# Altium PCB ECU_FEST24_Rev1.PcbDoc (part 3 of 3)
Units mm, origin at the board's own origin, x right, y up, seen from the top; angles counter-clockwise.
Board outline 80 x 60 mm, 4 copper layers (Top Layer, Int1 (GND), Int2 (PWR), Bottom Layer), stack 1.535 mm thick; 278 components, 169 nets, 897 pads, 839 vias.
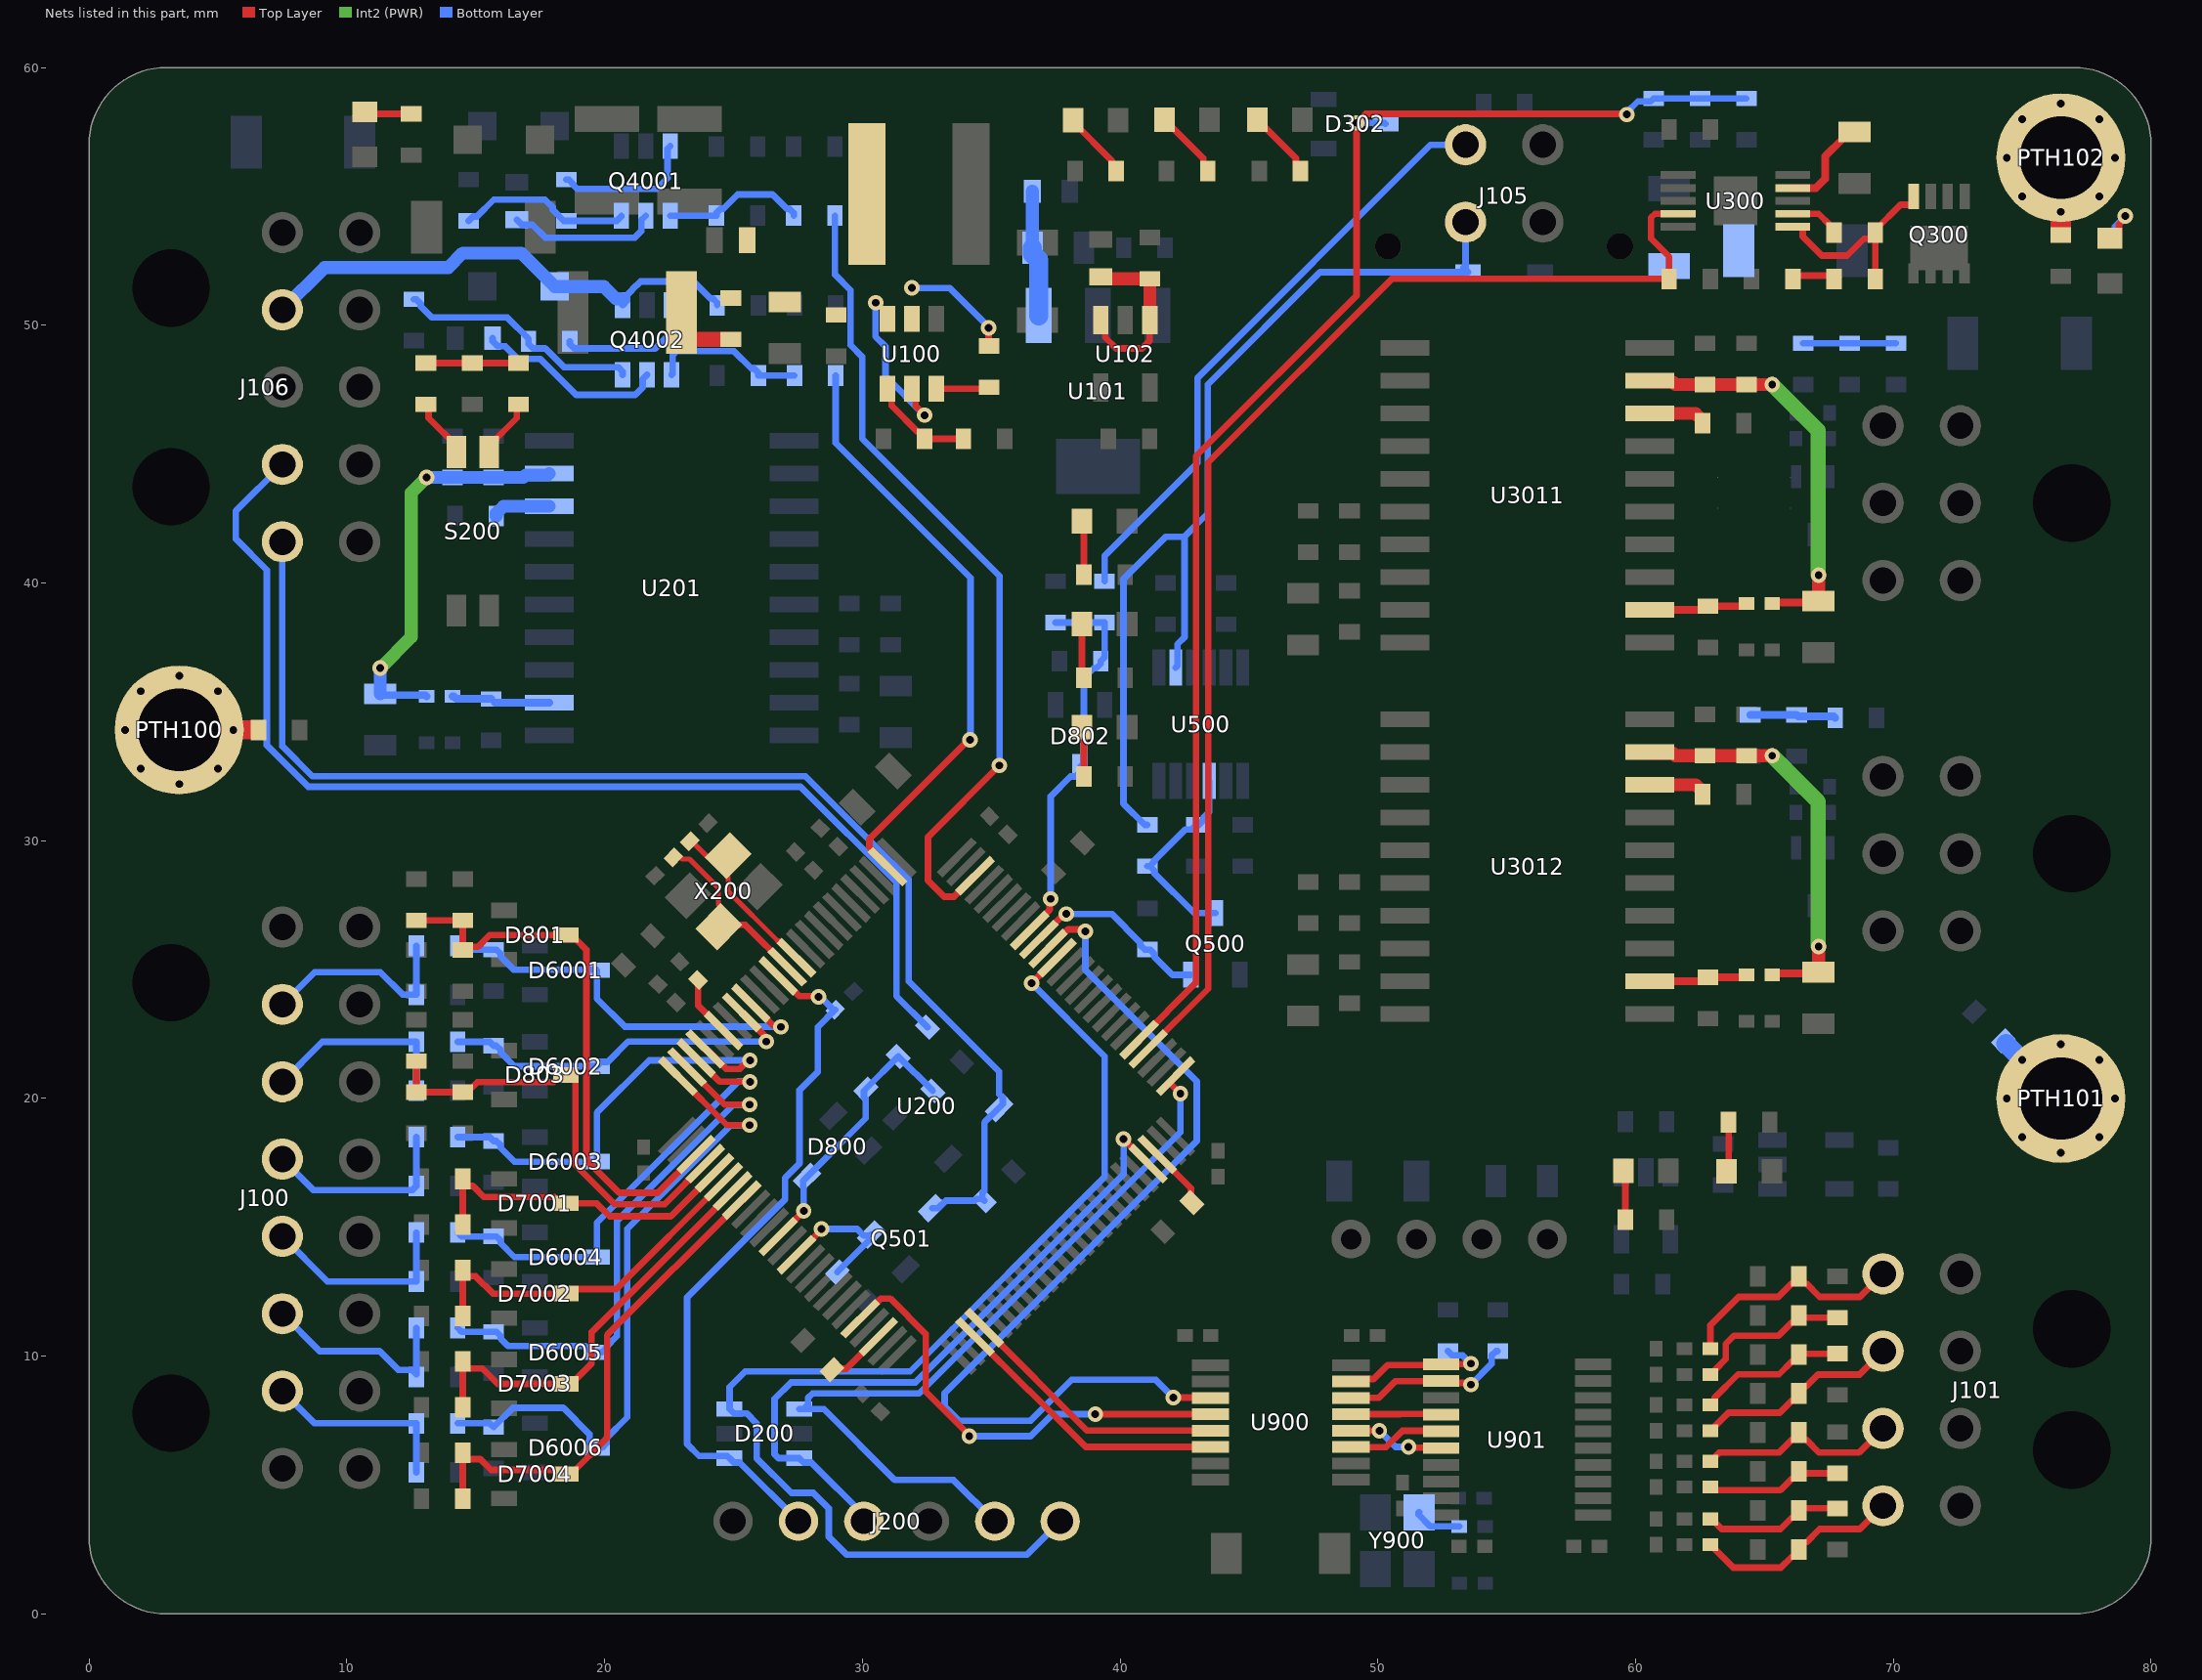
[diagram p5: the nets of this part, all layers, seen from the top]

## Via types
v1: diameter 0.6, hole 0.3, Top Layer to Bottom Layer, tented both sides, 839 vias

## Nets (pads, with @x,y where several pads share a name; then routed paths per layer and width w, separated by ;. In a path a pad name is that pad's centre, name@x,y a point inside that pad or via, vN(x,y) a via of type N, cw(c..) or ccw(c..) an arc to the next point about the centre after c; other vN are vias at no path point) (continued)
LowPWR_OUT2: D4002.1 J106.4 Q4002.4 R4022.2 | length 19.5
  Bottom Layer w0.254: Q4002.4@20.7,50.775 20.873,50.948 20.873,51.173 21.073,51.373 21.073,51.39 21.236,51.552 21.252,51.552 21.395,51.695 23.448,51.695 24.095,51.048 24.195,51.048 24.368,50.875 R4022.2@24.368,50.775
  Bottom Layer w0.5: J106.4@7.5,50.6 9.14,52.24 13.94,52.24 14.5,52.8 16.768,52.8 D4002.1@18.068,51.5 19.975,51.5 20.45,51.025 20.65,51.025 Q4002.4@20.7,50.975
LowPWR_Switch1: R4031.2 U200.98 | length 32
  Top Layer w0.254: U200.98@34.374,28.645 33.561,27.832 33.172,27.832 32.548,28.455 32.548,30.144 v1(35.323,32.919)
  Bottom Layer w0.254: R4031.2@28.941,54.25 28.941,51.967 29.545,51.363 29.545,49.23 29.996,48.779 29.996,45.604 35.323,40.277 v1(35.323,32.919)
LowPWR_Switch2: R4032.2 U200.2 | length 23.2
  Top Layer w0.254: U200.2@30.98,28.998 30.98,29.031 30.273,29.738 30.273,30.07 34.121,33.919 v1(34.177,33.919)
  Bottom Layer w0.254: R4032.2@28.968,48.048 28.968,45.432 34.2,40.2 34.2,33.942 v1(34.177,33.919)
MCU_DigiAnalog1: C801.1 D801.3 R802.1 R804.2 U200.28 | length 21.8
  Top Layer w0.254: R804.2@12.7,26.913 C801.1@14.5,26.913 R802.1@14.5,25.763 14.629,25.891 15.102,25.891 15.555,26.344 D801.3@18.5,26.344 18.673,26.171 18.899,26.171 19.3,25.77 19.3,17.616 20.574,16.341 22.07,16.341 U200.28@23.555,17.826
MCU_DigiAnalog2: C803.1 D803.3 R807.1 R809.2 U200.29 | length 17.4
  Top Layer w0.254: R807.1@12.7,21.449 C803.1@12.7,20.249 R809.2@14.5,20.249 14.673,20.422 14.853,20.422 15.064,20.633 18.023,20.633 18.3,20.91 18.7,20.91 18.873,20.737 18.873,17.416 20.393,15.897 22.333,15.897 U200.29@23.909,17.473
MCU_LinearSens1: C7001.1 D7001.3 R7001.1 U200.30 | length 12.8
  Top Layer w0.254: C7001.1@14.5,15.109 R7001.1@14.5,16.78 ; R7001.1@14.5,16.88 R7001.1@14.5,16.78 ; U200.30@24.262,17.119 22.573,15.43 20.198,15.43 19.698,15.93 D7001.3@18.5,15.93 18.3,15.93 18.055,16.175 15.325,16.175 14.893,16.607 14.673,16.607 R7001.1@14.5,16.78
MCU_LinearSens2: C7002.1 D7002.3 R7002.1 U200.31 | length 14
  Top Layer w0.254: C7002.1@14.5,11.566 R7002.1@14.5,13.276 ; R7002.1@14.5,13.337 R7002.1@14.5,13.276 ; U200.31@24.616,16.766 20.453,12.603 18.673,12.603 D7002.3@18.5,12.43 15.67,12.43 14.997,13.103 14.673,13.103 R7002.1@14.5,13.276
MCU_LinearSens3: C7003.1 D7003.3 R7003.1 U200.32 | length 16.4
  Top Layer w0.254: C7003.1@14.5,8.023 R7003.1@14.5,9.694 ; R7003.1@14.5,9.794 R7003.1@14.5,9.694 ; U200.32@24.961,16.404 19.5,10.943 19.5,9.719 18.884,9.103 18.673,9.103 D7003.3@18.5,8.93 15.858,8.93 15.267,9.521 14.673,9.521 R7003.1@14.5,9.694
MCU_LinearSens4: C7004.1 D7004.3 R7004.1 U200.33 | length 19.6
  Top Layer w0.254: C7004.1@14.5,4.48 R7004.1@14.5,6.183 ; R7004.1@14.5,6.252 R7004.1@14.5,6.183 ; U200.33@25.323,16.042 20.1,10.819 20.1,6.83 18.7,5.43 18.536,5.594 15.598,5.594 15.182,6.01 14.673,6.01 R7004.1@14.5,6.183
MCU_Pump_Tach: C802.1 D802.3 R806.2 R808.2 U200.92 | length 15.2
  Top Layer w0.254: U200.92@36.495,26.524 36.495,26.545 37.273,27.323 37.273,27.708 v1(37.308,27.743)
  Bottom Layer w0.254: v1(37.308,27.743) 37.308,31.723 38.077,32.492 38.277,32.492 38.45,32.665 D802.3@38.45,32.865 38.6,33.015 38.6,36.315 38.977,36.692 39.077,36.692 39.25,36.865 C802.1@39.25,36.965 39.4,37.115 R806.2@39.4,38.465 R808.2@37.5,38.465
MCU_SHTD_in: C800.1 D800.3 R801.2 R803.2 U200.37 | length 10.9
  Top Layer w0.254: U200.37@26.737,14.644 v1(27.727,15.634)
  Bottom Layer w0.254: v1(27.727,15.634) 27.727,16.548 27.71,16.565 27.71,16.81 D800.3@27.851,16.951 30.134,19.234 30.134,19.98 30.064,20.05 30.064,20.295 C800.1@30.134,20.366 30.134,20.371 R801.2@31.398,21.634 32.734,20.298 R803.2@32.734,20.295
MCU_SPI_CLK: U200.46 U900.4 | length 17.8
  Top Layer w0.254: U200.46@29.919,11.462 29.952,11.462 30.729,12.24 31.083,12.24 32.462,10.861 32.462,8.634 34.151,6.945 v1(34.151,6.9) ; v1(39.041,7.75) U900.4@43.505,7.75
  Bottom Layer w0.254: v1(34.151,6.9) 36.528,6.9 37.378,7.75 v1(39.041,7.75)
MCU_SPI_CS: U200.90 U900.3 | length 37.7
  Top Layer w0.254: U200.90@37.202,25.816 37.235,25.816 37.977,26.559 38.487,26.559 38.558,26.488 v1(38.652,26.488) ; v1(42.069,8.4) 43.49,8.4 U900.3@43.505,8.385
  Bottom Layer w0.254: v1(38.652,26.488) 38.652,24.988 42.977,20.663 42.977,18.354 33.191,8.568 33.191,8.059 33.75,7.5 36.53,7.5 38.115,9.085 41.384,9.085 v1(42.069,8.4) v1@42.266,8.4
MCU_SPI_MISO: U200.53 U900.6 | length 10.9
  Top Layer w0.254: U200.53@34.374,10.755 36.458,8.671 36.481,8.671 38.672,6.48 U900.6@43.505,6.48
MCU_SPI_MOSI: U200.54 U900.5 | length 10.4
  Top Layer w0.254: U200.54@34.727,11.109 38.721,7.115 U900.5@43.505,7.115
MCU_Temp1: C6001.1 D6001.3 R6001.1 U200.17 | length 16.1
  Top Layer w0.254: U200.17@25.676,23.695 26.529,22.842 26.78,22.842 v1(26.846,22.776)
  Bottom Layer w0.254: R6001.1@14.3,25.926 14.45,25.776 C6001.1@15.7,25.776 15.8,25.776 15.973,25.603 15.973,25.503 16.476,25 19.676,25 D6001.3@19.7,24.976 19.7,23.876 20.788,22.787 26.835,22.787 v1(26.846,22.776)
MCU_Temp2: C6002.1 D6002.3 R6002.1 U200.18 | length 14.4
  Top Layer w0.254: U200.18@25.323,23.342 25.323,23.319 26.211,22.431 26.211,22.276 v1(26.277,22.21)
  Bottom Layer w0.254: R6002.1@14.3,22.2 15.55,22.2 C6002.1@15.7,22.05 15.8,22.05 15.973,21.877 15.973,21.777 16.5,21.25 D6002.3@19.7,21.25 19.873,21.423 20.126,21.423 20.913,22.21 v1(26.277,22.21)
MCU_Temp3: C6003.1 D6003.3 R6003.1 U200.22 | length 16.7
  Top Layer w0.254: U200.22@23.909,21.927 23.941,21.927 24.719,21.15 25.249,21.15 25.574,21.475 v1(25.641,21.475)
  Bottom Layer w0.254: R6003.1@14.3,18.5 15.55,18.5 C6003.1@15.7,18.35 15.8,18.35 15.973,18.177 15.973,18.077 16.5,17.55 D6003.3@19.7,17.55 19.7,19.443 21.732,21.475 v1(25.641,21.475)
MCU_Temp4: C6004.1 D6004.3 R6004.1 U200.23 | length 17.9
  Top Layer w0.254: U200.23@23.555,21.574 24.48,20.649 v1(25.641,20.649)
  Bottom Layer w0.254: R6004.1@14.3,14.8 14.45,14.65 C6004.1@15.7,14.65 15.8,14.65 15.973,14.477 15.973,14.377 16.5,13.85 D6004.3@19.7,13.85 19.7,15.173 25.175,20.649 v1(25.641,20.649)
MCU_Temp5: C6005.1 D6005.3 R6005.1 U200.24 | length 21.5
  Top Layer w0.254: U200.24@23.202,21.22 24.658,19.764 v1(25.635,19.764)
  Bottom Layer w0.254: R6005.1@14.3,11.1 14.45,10.95 C6005.1@15.7,10.95 15.8,10.95 15.973,10.777 15.973,10.677 16.25,10.4 19.25,10.4 19.5,10.15 19.9,10.15 20.073,10.323 20.073,10.373 20.477,10.777 20.477,15.243 24.998,19.764 v1(25.635,19.764)
MCU_Temp6: C6006.1 D6006.3 R6006.1 U200.25 | length 25.7
  Top Layer w0.254: U200.25@22.848,20.867 24.748,18.967 v1(25.635,18.967)
  Bottom Layer w0.254: R6006.1@14.3,7.4 15.55,7.4 C6006.1@15.7,7.25 16.45,8 18.4,8 19.418,6.982 19.418,6.623 19.591,6.45 19.9,6.45 20.073,6.623 20.073,6.823 20.881,7.631 20.881,14.94 24.908,18.967 v1(25.635,18.967)
Motor_Temp+1: J101.8 R9031.2 R9051.2 | length 8.2
  Top Layer w0.254: R9051.2@62.9,2.688 62.95,2.688 63.073,2.565 63.073,2.515 63.788,1.8 65.637,1.8 66.064,2.227 66.165,2.227 66.338,2.4 R9031.2@66.338,2.5 66.338,2.6 66.51,2.773 66.611,2.773 67.138,3.3 68.7,3.3 J101.8@69.6,4.2
Motor_Temp+2: J101.7 R9032.2 R9052.2 | length 7.9
  Top Layer w0.254: R9052.2@62.9,5.923 62.95,5.923 63.073,6.046 63.073,6.096 63.237,6.26 65.555,6.26 66.064,6.77 66.165,6.77 R9032.2@66.338,6.943 ; R9032.2@66.338,7.043 R9032.2@66.338,6.943 ; J101.7@69.6,7.2 68.66,6.26 67.12,6.26 66.611,6.77 66.51,6.77 R9032.2@66.338,6.943
Motor_Temp+3: J101.6 R9033.2 R9053.2 | length 8.1
  Top Layer w0.254: R9053.2@62.9,7.113 62.95,7.113 63.073,7.236 63.073,7.286 63.6,7.813 65.594,7.813 66.064,8.284 66.165,8.284 66.338,8.457 R9033.2@66.338,8.557 66.338,8.657 66.51,8.83 66.611,8.83 67.069,9.288 68.688,9.288 J101.6@69.6,10.2
Motor_Temp+4: J101.5 R9034.2 R9054.2 | length 9.1
  Top Layer w0.254: R9054.2@62.9,10.288 62.9,11.2 64,12.3 65.538,12.3 66.064,12.827 66.165,12.827 R9034.2@66.338,13 ; R9034.2@66.338,13.1 R9034.2@66.338,13 ; J101.5@69.6,13.2 68.7,12.3 67.137,12.3 66.611,12.827 66.51,12.827 R9034.2@66.338,13
Net100_2: 100.2 R105.1 | length 1.8
  Top Layer w0.254: 100.2@10.7,58.275 10.775,58.2 R105.1@12.5,58.2
Net101_2: 101.2 R106.1 | length 2.7
  Top Layer w0.254: 101.2@38.175,57.961 38.175,57.886 39.677,56.384 39.677,56.158 R106.1@39.85,55.985
Net102_2: 102.2 R107.1 | length 2.7
  Top Layer w0.254: 102.2@45.325,57.976 45.325,57.901 45.598,57.628 45.673,57.628 46.827,56.474 46.827,56.158 R107.1@47,55.985
Net103_2: 103.2 R108.1 | length 2.7
  Top Layer w0.254: 103.2@41.725,57.976 41.725,57.901 41.998,57.628 42.073,57.628 43.227,56.474 43.227,56.158 R108.1@43.4,55.985
Net300_2: 300.2 R303.1 | length 2.3
  Top Layer w0.254: 300.2@78.4,53.375 78.475,53.375 78.748,53.648 78.748,53.912 79,54.164 v1(79,54.234)
  Bottom Layer w0.254: R303.1@78.4,53.3 78.426,53.3 78.599,53.473 78.599,53.832 v1(79,54.234)
Net900_2: 900.2 R900.1 | length 1.9
  Top Layer w0.254: 900.2@59.527,17.2 59.602,17.125 R900.1@59.602,15.297
Net901_2: 901.2 R901.1 | length 2
  Top Layer w0.254: 901.2@63.533,17.179 63.553,17.159 63.608,17.215 R901.1@63.608,19.079
NetC100_2: C100.2 PTH100.1 | length 2.9
  Top Layer w0.75: PTH100.1@3.5,34.3 PTH100.1@5.6,34.3 C100.2@6.413,34.3
NetC101_1: C101.1 L101.1 U100.2 | length 4.4
  Top Layer w0.254: v1(34.9,49.9) 34.9,49.212 C101.1@34.921,49.192
  Bottom Layer w0.254: v1(31.921,51.447) 33.388,51.447 34.9,49.935 v1(34.9,49.9)
NetC101_2: C101.2 U100.6 | length 2.1
  Top Layer w0.254: U100.6@32.871,47.542 34.871,47.542 C101.2@34.921,47.592
NetC102_2: C102.2 C103.2 L100.2 R100.1 U100.3 U100.5 | length 6.4
  Top Layer w0.254: U100.5@31.921,47.542 32.071,47.392 32.071,46.861 v1(32.421,46.51)
  Bottom Layer w0.254: v1(30.526,50.875) 30.51,50.86 30.51,49.561 30.9,49.171 30.9,48.031 v1(32.421,46.51)
NetC107_1: C107.1 R100.2 | length 2.8
  Top Layer w0.6: C107.1@22.979,50.5 22.979,49.8 23.329,49.45 R100.2@24.9,49.45
NetC108_1: C108.1 F100.2 U101.1 | length 4.9
  Bottom Layer w0.5: C108.1@36.599,53 F100.2@36.599,55.2
  Bottom Layer w0.75: C108.1@36.599,53 36.599,52.775 36.844,52.53 U101.1@36.844,50.375
NetC110_1: C110.1 PTH101.1 | length 3
  Bottom Layer w0.75: C110.1@74.372,22.128 PTH101.1@75,21.5 PTH101.1@76.5,20
NetC111_1: C111.1 PTH102.1 | length 0.8
  Top Layer w0.8: C111.1@76.5,53.635 PTH102.1@76.5,54.4
NetC112_1: C112.1 F101.1 U102.1 U102.3 | length 7.1
  Top Layer w0.254: U102.3@39.251,50.192 39.424,50.019 39.424,49.527 39.851,49.1 40.851,49.1 41.151,49.4 U102.1@41.151,50.192
  Top Layer w0.5: F101.1@39.251,51.879 39.326,51.804 C112.1@41.151,51.804 U102.1@41.151,50.192
NetC208_1: C208.1 R200.1 R201.1 | length 3.6
  Top Layer w0.254: R200.1@13.07,48.532 C208.1@14.87,48.532 R201.1@16.67,48.532
NetC301_1: C301.1 Q300.2 R300.2 U300.6 | length 8.3
  Top Layer w0.254: U300.6@66.1,53.825 66.459,53.825 66.482,53.802 66.482,53.443 67.225,52.7 68.2,52.7 68.859,53.359 69.127,53.359 R300.2@69.3,53.532 ; C301.1@69.3,51.8 R300.2@69.3,53.532 ; Q300.2@70.79,54.99 70.79,54.751 70.714,54.675 70.275,54.675 69.3,53.7 R300.2@69.3,53.6 R300.2@69.3,53.532
NetC301_2: C301.2 R302.2 | length 1.7
  Top Layer w0.254: R302.2@66.1,51.8 66.227,51.927 67.573,51.927 C301.2@67.7,51.8
NetC302_1: C302.1 U300.9 | length 3.8
  Top Layer w0.3: U300.9@66.1,55.325 67,55.325 67.35,55.675 67.35,56.55 68.025,57.225 68.025,57.25 68.275,57.5 C302.1@68.5,57.5
NetC303_1: C303.1 D302.3 R304.1 R305.2 U200.80 | length 55.8
  Top Layer w0.254: U200.80@40.738,22.281 42.945,24.488 ; 42.945,44.92 49.176,51.151 v1(49.176,57.849) 49.526,58.2 59.635,58.2 v1(59.66,58.175) ; 42.95,24.488 42.95,44.92
  Bottom Layer w0.254: v1(49.176,57.849) 50.26,57.849 D302.3@50.3,57.809 ; v1(59.66,58.175) 59.66,58.26 60.085,58.685 60.585,58.685 C303.1@60.7,58.8 R305.2@62.5,58.8 R304.1@64.3,58.8
NetC3141_1: C3141.1 R3101.1 R3111.1 | length 3.6
  Bottom Layer w0.254: R3111.1@66.5,49.301 R3101.1@70.1,49.301
NetC3142_1: C3142.1 R3102.1 R3112.1 | length 3.3
  Bottom Layer w0.3: R3112.1@64.446,34.88 C3142.1@66.246,34.88 66.304,34.823 67.689,34.823 R3102.1@67.746,34.765
NetD300_2: D300.2 F300.1
NetERROR200_2: ERROR200.2 R203.1 | length 1.9
  Top Layer w0.254: ERROR200.2@38.525,34.4 38.6,34.325 R203.1@38.6,32.5
NetF4001_1: F4001.1 Q4001.2 | length 5.9
  Bottom Layer w0.254: F4001.1@16.593,54.1 16.793,53.9 17.202,53.9 17.702,53.4 21.173,53.4 21.427,53.654 21.427,54.077 Q4001.2@21.6,54.25
NetF4002_1: F4002.1 Q4002.2 | length 7.5
  Bottom Layer w0.254: F4002.1@15.659,49.5 15.659,49.383 15.859,49.183 16.15,49.183 16.635,48.698 17.502,48.698 18.9,47.3 20.284,47.3 20.286,47.298 21.189,47.298 21.477,47.587 21.477,47.902 Q4002.2@21.65,48.075
NetMCU200_2: MCU200.2 R204.1 | length 2.2
  Top Layer w0.254: MCU200.2@38.525,42.4 38.525,42.35 38.6,42.275 R204.1@38.6,40.275
NetMCU201_2: MCU201.2 R205.1 | length 2.1
  Top Layer w0.254: MCU201.2@38.525,38.4 38.525,36.425 R205.1@38.6,36.35
NetQ500_2: Q500.2 R501.1 U200.91 | length 7.4
  Top Layer w0.254: U200.91@36.849,26.17 37.839,27.16 v1(37.909,27.16)
  Bottom Layer w0.254: v1(37.909,27.16) 39.675,27.16 40.784,26.051 40.784,25.951 40.957,25.778 R501.1@41.057,25.778 41.157,25.778 41.33,25.605 41.33,25.505 42.035,24.8 Q500.2@42.75,24.8
NetQ501_2: Q501.2 R504.1 U200.39 | length 5.4
  Top Layer w0.254: U200.39@27.444,13.937 28.417,14.91 v1(28.417,14.935)
  Bottom Layer w0.254: v1(28.417,14.935) 29.8,14.935 30.054,14.681 30.299,14.681 Q501.2@30.34,14.723 30.34,14.572 R504.1@29.034,13.266
NetQ4001_1: Q4001.1 R4031.1 R4041.2 | length 5.6
  Bottom Layer w0.254: Q4001.1@22.55,54.25 R4041.2@24.341,54.25 24.341,54.35 24.514,54.523 24.614,54.523 25.166,55.075 26.516,55.075 27.068,54.523 27.168,54.523 27.341,54.35 R4031.1@27.341,54.25
NetQ4001_3: Q4001.3 R4001.1 R4011.2 | length 6.9
  Bottom Layer w0.254: R4001.1@14.725,54.05 14.898,54.223 15.051,54.223 15.703,54.875 17.693,54.875 17.989,54.58 17.989,54.48 R4011.2@18.418,54.05 ; R4011.2@18.518,54.05 R4011.2@18.418,54.05 ; Q4001.3@20.65,54.25 20.65,54.223 20.477,54.05 R4011.2@18.418,54.05
NetQ4001_6: Q4001.6 R4011.1 | length 5.6
  Bottom Layer w0.254: R4011.1@18.518,55.65 18.618,55.65 18.791,55.477 18.791,55.441 18.94,55.293 22.03,55.293 22.443,55.706 22.443,56.843 Q4001.6@22.55,56.95
NetQ4002_1: Q4002.1 R4032.1 R4042.2 | length 6
  Bottom Layer w0.254: Q4002.1@22.6,48.075 22.644,48.119 22.644,48.842 22.793,48.991 25.025,48.991 25.695,48.321 25.795,48.321 25.968,48.148 R4042.2@25.968,48.048 R4032.1@27.368,48.048
NetQ4002_3: Q4002.3 R4002.1 R4012.2 | length 9.6
  Bottom Layer w0.254: R4002.1@12.6,51.003 12.7,51.003 12.873,50.83 12.873,50.73 13.303,50.3 16.225,50.3 17.05,49.475 17.05,49.275 17.223,49.102 17.698,49.102 18.425,48.375 20.527,48.375 20.7,48.202 Q4002.3@20.7,48.075
NetQ4002_6: Q4002.6 R4012.1 | length 5.4
  Bottom Layer w0.254: R4012.1@18.65,49.375 18.65,49.275 18.823,49.102 21.971,49.102 22.6,49.731 Q4002.6@22.6,50.775
NetR101_2: R101.2 R102.1 U100.4 | length 4.1
  Top Layer w0.254: U100.4@30.971,47.542 31.136,47.376 31.136,46.876 32.148,45.865 32.248,45.865 32.421,45.692 R102.1@32.421,45.592 R101.2@33.921,45.592
NetR200_2: R200.2 S200.3 | length 2.3
  Top Layer w0.254: R200.2@13.07,46.932 13.175,46.827 13.175,46.4 14.25,45.325 S200.3@14.25,45.08
NetR201_2: R201.2 S200.4 | length 2.3
  Top Layer w0.254: S200.4@15.52,45.08 15.52,45.325 16.595,46.4 16.595,46.857 R201.2@16.67,46.932
NetR202_2: R202.2 U201.18 | length 2.3
  Bottom Layer w0.5: R202.2@15.8,42.6 15.8,42.7 16.075,42.975 U201.18@17.85,42.975
NetR300_1: R300.1 U300.7 | length 2
  Top Layer w0.254: U300.7@66.1,54.325 67.1,54.325 67.527,53.898 67.527,53.773 R300.1@67.7,53.6
NetR301_1: R301.1 U200.79 U300.4 | length 48.4
  Top Layer w0.254: U200.79@41.091,21.927 43.422,24.258 43.422,44.687 50.535,51.8 R301.1@61.3,51.8 ; R301.1@61.3,51.7 61.3,52.66 60.6,53.36 60.6,54.177 60.749,54.325 U300.4@61.65,54.325
NetR907_1: R907.1 Y900.3 | length 1.9
  Bottom Layer w0.254: Y900.3@51.6,3.95 51.586,3.936 51.586,3.855 52.044,3.398 R907.1@53.16,3.398
NetR3081_2: R3081.2 U3011.18 | length 2.3
  Top Layer w0.5: U3011.18@60.55,46.575 62.325,46.575 62.6,46.3 R3081.2@62.6,46.2
NetR3082_2: R3082.2 U3012.18 | length 2.3
  Top Layer w0.5: U3012.18@60.55,32.175 62.325,32.175 62.6,31.9 R3082.2@62.6,31.8
NRST: C220.1 D200.4 J200.2 U200.14 | length 27.5
  Top Layer w0.254: U200.14@26.737,24.756 26.77,24.756 27.548,23.977 28.272,23.977 v1(28.3,23.949)
  Bottom Layer w0.254: J200.2@27.52,3.6 25.243,5.877 25.023,5.877 D200.4@24.85,6.05 24.768,6.132 23.668,6.132 23.2,6.6 23.2,12.287 27.009,16.096 27.009,16.925 27.562,17.478 27.562,20.327 28.277,21.042 28.277,22.777 C220.1@28.946,23.446 28.874,23.446 28.372,23.949 v1(28.3,23.949)
OSC_IN: C221.1 U200.12 X200.3 | length 6.8
  Top Layer w0.2: C221.1@23.308,29.976 23.39,29.976 23.695,29.67 ; 23.697,29.67 24.015,29.352 X200.3@24.722,29.352 ; X200.3@24.793,29.423 X200.3@24.722,29.352 ; U200.12@27.444,25.463 26.879,26.029 26.846,26.029 26.761,26.114 26.72,26.114 24.793,28.041 24.793,28.574 24.722,28.645 X200.3@24.722,29.352
OSC_OUT: C222.1 U200.13 X200.1 | length 7.2
  Top Layer w0.2: C222.1@22.671,29.352 22.707,29.387 22.919,29.387 23.015,29.291 23.298,29.291 24.416,28.173 24.416,27.537 24.51,27.443 24.51,26.736 X200.1@24.439,26.665
  Top Layer w0.254: X200.1@24.439,26.665 24.51,26.736 25.464,26.736 U200.13@27.091,25.109
Pump_Tach: J105.1 R806.1 | length 23.5
  Bottom Layer w0.254: R806.1@39.4,40.065 39.4,41.051 43,44.651 43,47.95 52.05,57 J105.1@53.4,57
PWM_Fan: D501.1 J106.1 Q501.3 R503.1 | length 50.9
  Bottom Layer w0.254: J106.1@7.5,41.6 7.5,33.671 8.671,32.5 27.8,32.5 31.8,28.5 31.8,24.549 35.309,21.039 35.309,20.169 35.451,20.028 35.451,19.783 D501.1@35.309,19.641 34.734,19.067 34.734,16.42 34.664,16.35 R503.1@34.664,16.105 ; Q501.3@32.709,15.749 32.954,15.749 33.24,16.034 34.348,16.034 34.419,16.105 R503.1@34.664,16.105 ; R503.1@34.664,16.105 R503.1@34.734,16.034 R503.1@34.664,16.105
PWM_Pump: D500.1 J105.3 R500.2 U500.2 | length 38.4
  Bottom Layer w0.254: R500.2@41.057,30.615 40.957,30.615 40.134,31.437 40.134,40.153 41.778,41.796 42.5,41.796 ; U500.2@42.157,36.715 42.226,36.784 42.226,37.626 42.5,37.9 42.5,41.796 ; D500.1@53.327,52.234 D500.1@53.5,52.061 47.761,52.061 43.404,47.704 43.404,42.7 42.5,41.796 ; D500.1@53.4,52.234 J105.3@53.4,54
PWM_Pump_in: Q500.3 R500.1 R502.1 U500.9 | length 8
  Bottom Layer w0.254: U500.9@43.457,32.315 43.457,31.115 43.23,30.888 43.23,30.788 43.057,30.615 R502.1@42.957,30.615 42.784,30.442 42.534,30.442 41.33,29.238 41.33,29.188 R500.1@41.157,29.015 ; Q500.3@43.7,27.2 42.872,27.2 41.33,28.742 41.33,28.842 R500.1@41.157,29.015 ; R500.1@41.157,29.015 R500.1@41.057,29.015 R500.1@41.157,29.015
RST: R909.2 U900.15 U901.11 | length 6
  Top Layer w0.254: U900.15@48.955,9.02 49.052,9.117 49.839,9.117 50.377,9.655 52.418,9.655 52.463,9.701 53.595,9.701 v1(53.608,9.714)
  Bottom Layer w0.254: R909.2@52.723,10.2 52.891,10.032 53.286,10.032 53.587,9.732 v1@53.59,9.732
SHTD_in: J106.2 R801.1 | length 44.9
  Bottom Layer w0.254: J106.2@7.5,44.6 5.7,42.8 5.7,41.702 6.9,40.502 6.9,33.7 8.504,32.096 27.604,32.096 31.327,28.373 31.327,23.968 R801.1@32.529,22.766
SPI_CLK: U900.13 U901.14 | length 3.5
  Top Layer w0.254: U900.13@48.955,7.75 50.861,7.75 50.869,7.758 52.43,7.758 U901.14@52.45,7.737
SPI_CS: R908.1 U900.14 U901.12 | length 6.8
  Top Layer w0.254: U900.14@48.955,8.385 50.034,8.385 50.686,9.037 U901.12@52.45,9.037 52.521,8.966 53.544,8.966 v1(53.611,8.9)
  Bottom Layer w0.254: v1(53.611,8.9) 54.415,9.704 54.415,10.027 54.588,10.2 R908.1@54.65,10.2
SPI_MISO: U900.11 U901.15 | length 3.8
  Top Layer w0.254: U900.11@48.955,6.48 48.962,6.473 50.318,6.473 50.953,7.108 52.43,7.108 U901.15@52.45,7.087
SPI_MOSI: U900.12 U901.16 | length 3.8
  Top Layer w0.254: U900.12@48.955,7.115 48.958,7.111 50.057,7.111 v1(50.06,7.108) ; v1(51.192,6.48) 51.214,6.459 52.429,6.459 U901.16@52.45,6.437
  Bottom Layer w0.254: v1(50.06,7.108) 50.688,6.48 v1(51.192,6.48)
SWCLK: D200.1 J200.5 U200.76 | length 31.2
  Top Layer w0.254: U200.76@42.152,20.867 41.926,20.641 41.926,20.609 v1(42.34,20.195)
  Bottom Layer w0.254: J200.5@35.14,3.6 33.54,5.2 31.264,5.2 28.514,7.95 27.75,7.95 D200.1@27.55,7.95 27.718,7.95 27.891,8.123 27.891,8.377 28.068,8.554 32.2,8.554 42.34,18.694 v1(42.34,20.195)
SWDIO: D200.3 J200.3 U200.72 | length 26.7
  Top Layer w0.254: v1(40.137,18.427) U200.72@41.091,17.473
  Bottom Layer w0.254: J200.3@30.06,3.6 30.06,3.84 28.023,5.877 27.723,5.877 D200.3@27.55,6.05 26.749,6.05 26.6,6.199 26.6,8.35 27.237,8.987 32.062,8.987 40.137,17.062 v1(40.137,18.427)
SWO: D200.6 J200.6 U200.89 | length 46
  Top Layer w0.254: v1(36.566,24.473) U200.89@37.556,25.463
  Bottom Layer w0.254: v1(36.566,24.473) 39.4,21.639 39.4,16.954 31.858,9.412 25.455,9.412 24.85,8.807 D200.6@24.85,7.95 25.015,7.785 25.515,7.785 25.9,7.4 25.9,6.05 27.25,4.7 28.1,4.7 28.7,4.1 28.7,2.998 29.398,2.3 36.38,2.3 J200.6@37.68,3.6
Temp1: J100.7 R6001.2 R6011.1 | length 8
  Bottom Layer w0.254: J100.7@7.5,23.65 8.75,24.9 11.3,24.9 12.168,24.032 12.693,24.032 R6011.1@12.7,24.026 R6001.2@12.7,25.926
Temp2: J100.6 R6002.2 R6012.1 | length 7.7
  Bottom Layer w0.254: J100.6@7.5,20.65 9.05,22.2 R6002.2@12.7,22.2 R6012.1@12.7,20.3
Temp3: J100.5 R6003.2 R6013.1 | length 7.7
  Bottom Layer w0.254: J100.5@7.5,17.65 8.7,16.45 12.55,16.45 R6013.1@12.7,16.6 R6003.2@12.7,18.5
Temp4: J100.4 R6004.2 R6014.1 | length 7.8
  Bottom Layer w0.254: J100.4@7.5,14.65 9.25,12.9 R6014.1@12.7,12.9 R6004.2@12.7,14.8
Temp5: J100.3 R6005.2 R6015.1 | length 8
  Bottom Layer w0.254: J100.3@7.5,11.65 8.95,10.2 11.273,10.2 12,9.473 12.527,9.473 12.7,9.3 R6005.2@12.7,11.1
Temp6: J100.2 R6006.2 R6016.1 | length 7.6
  Bottom Layer w0.254: J100.2@7.5,8.65 8.75,7.4 R6006.2@12.7,7.4 R6016.1@12.7,5.5
Temp-1: R9021.2 R9041.1 R9061.2 | length 5.5
  Top Layer w0.254: R9061.2@62.9,3.688 62.95,3.688 63.073,3.565 63.338,3.3 65.623,3.3 66.064,3.741 66.165,3.741 66.338,3.914 R9021.2@66.338,4.014 66.423,4.1 R9041.1@67.837,4.1
Temp-2: R9022.2 R9042.1 R9062.2 | length 5.3
  Top Layer w0.254: R9062.2@62.9,4.923 63.023,4.8 65.608,4.8 66.064,5.256 66.165,5.256 66.338,5.429 R9022.2@66.338,5.529 ; R9022.2@66.406,5.46 R9042.1@67.837,5.46
Temp-3: R9023.2 R9043.1 R9063.2 | length 5.9
  Top Layer w0.254: R9063.2@62.9,8.113 62.95,8.113 63.073,8.236 63.073,8.4 63.973,9.3 65.566,9.3 66.064,9.798 66.165,9.798 66.338,9.971 R9023.2@66.338,10.071 66.366,10.1 R9043.1@67.837,10.1
Temp-4: R9024.2 R9044.1 R9064.2 | length 6.2
  Top Layer w0.254: R9064.2@62.9,9.288 62.95,9.288 63.073,9.411 63.073,9.461 63.5,9.888 63.5,10.477 63.823,10.8 65.552,10.8 66.064,11.313 66.165,11.313 66.338,11.486 R9024.2@66.338,11.586 ; R9024.2@66.423,11.5 R9044.1@67.837,11.5
VCAP1: C218.1 U200.48 | length 2.4
  Top Layer w0.254: C218.1@28.823,9.482 28.894,9.553 29.138,9.553 29.176,9.515 29.386,9.515 U200.48@30.626,10.755
VCAP2: C219.1 U200.73 | length 2.4
  Top Layer w0.254: U200.73@41.445,17.826 42.749,16.522 42.749,16.312 42.718,16.281 42.718,16.036 C219.1@42.788,15.966
Viso: C204.1 C205.1 C207.1 FB200.2 U201.19 | length 15.8
  Int2 (PWR) w0.5: v1(11.3,36.7) 12.5,37.9 12.5,43.5 v1(13.1,44.1)
  Bottom Layer w0.3: C207.1@11.3,35.7 11.35,35.65 13.05,35.65 FB200.2@13.1,35.6
  Bottom Layer w0.5: C207.1@11.3,35.7 v1(11.3,36.7) ; v1(13.1,44.1) C205.1@14.1,44.1 16.857,44.1 16.952,44.195 17.8,44.195 U201.19@17.85,44.245
Viso1: C3081.1 C3091.1 C3111.1 FB3001.2 U3011.19 | length 15.8
  Top Layer w0.3: FB3001.2@65.3,39.2 65.35,39.25 67.05,39.25 C3111.1@67.1,39.3
  Top Layer w0.5: U3011.19@60.55,47.845 60.6,47.795 61.448,47.795 61.543,47.7 C3091.1@64.3,47.7 v1(65.3,47.7) ; C3111.1@67.1,39.3 v1(67.1,40.3)
  Int2 (PWR) w0.6: v1(65.3,47.7) 67.083,45.917 67.083,40.317 v1(67.1,40.3)
Viso2: C3082.1 C3092.1 C3112.1 FB3002.2 U3012.19 | length 15.8
  Top Layer w0.3: FB3002.2@65.3,24.8 65.35,24.85 67.05,24.85 C3112.1@67.1,24.9
  Top Layer w0.5: U3012.19@60.55,33.445 60.6,33.395 61.448,33.395 61.543,33.3 C3092.1@64.3,33.3 v1(65.3,33.3) ; C3112.1@67.1,24.9 v1(67.1,25.9)
  Int2 (PWR) w0.6: v1(65.3,33.3) 67.083,31.517 67.083,25.917 v1(67.1,25.9)
Visoout: C206.1 FB200.1 U201.12 | length 3.6
  Bottom Layer w0.3: FB200.1@14.1,35.6 14.15,35.6 14.25,35.5 C206.1@15.6,35.5 ; C206.1@15.745,35.355 U201.12@17.85,35.355
Visoout1: C3101.1 FB3001.1 U3011.12 | length 3.6
  Top Layer w0.3: U3011.12@60.55,38.955 C3101.1@62.655,38.955 ; C3101.1@62.8,39.1 64.15,39.1 64.25,39.2 FB3001.1@64.3,39.2
Visoout2: C3102.1 FB3002.1 U3012.12 | length 3.6
  Top Layer w0.3: U3012.12@60.55,24.555 C3102.1@62.655,24.555 ; C3102.1@62.8,24.7 64.15,24.7 64.25,24.8 FB3002.1@64.3,24.8
VREF+: R206.1 U200.20 | length 2.4
  Top Layer w0.254: R206.1@23.626,24.598 23.661,24.563 23.661,24.389 23.626,24.353 23.626,23.624 U200.20@24.616,22.634
pads on no net: J100. J101. J103. J104. J105. J106. U102.4 U200.3 U200.4 U200.5 U200.7 U200.8 U200.9 U200.15 U200.16 U200.34 U200.35 U200.36 U200.38 U200.40 U200.41 U200.42 U200.43 U200.44 U200.45 U200.47 U200.57 U200.58 U200.59 U200.60 U200.61 U200.62 U200.63 U200.64 U200.65 U200.66 U200.68 U200.69 U200.78 U200.84 U200.85 U200.86 U200.87 U200.88 U200.93 U200.95 U200.96 U201.2 U201.14 U300.10 U500.3 U500.8 U902.4 U903.4 U3011.2 U3011.14 U3012.2 U3012.14 Y900.1

## Polygon pours and split planes (outlines as drawn)
GND on Bottom Layer "Bottom Layer-GND" (solid, remove dead copper, pour order 179): 44.076,-0.006 44.724,-0.006 44.73,0 44.73,3.155 44.23,3.655 44.23,10.53 47,13.3 50.984,13.3 52.25,14.566 52.25,20.45 51.7,21 51.7,50.9 54.6,50.9 54.6,60 0,60 0,49.3 0.112,49.188 0,49.188 0,0
GND_CTRL on Bottom Layer "GND_CTRL_L04_P168" (solid, pour order 168): 55.1,50.9 55.1,60 80,60 80,21 71.401,21 71.401,50.9
NetD300_2 on Bottom Layer "NETD300_2_L04_P106" (solid, pour order 106): 64.6,51.8 60.5,51.8 60.5,53.434 62.909,53.434 63.4,53.925 64.6,53.925
+24V_CTRL on Bottom Layer "+24V_CTRL_L04_P001" (solid, pour order 1): 55.6,54.003 cw(c56.392,54.003) 55.832,54.563 57.244,55.975 62.1,55.975 62.1,54.3 59.835,54.3 58.739,53.203 56.4,53.203 cw(c56.4,54.003)
iso_GND on Bottom Layer "Bottom Layer-iso_GND" (solid, remove dead copper, pour order 180): 47.73,0 48.23,0 48.23,-0.004 79.996,-0.004 79.996,20.496 53.286,20.496 53.286,13.486 52.099,12.3 48.557,12.3 48.23,11.973 48.23,3.655 47.73,3.155
CAN_GND on Bottom Layer "CAN_GND_L04_P107" (solid, remove dead copper, pour order 107): 18.5,33.1 18.5,46.8 16.6,48.7 9.2,48.7 9.2,34.1 10.2,33.1
CTRL_CAN_GND2 on Bottom Layer "CTRL_CAN_GND2_L04_P119" (solid, remove dead copper, pour order 119): 59.9,21 59.9,36 70.9,36 70.9,21
+5V_iso on Bottom Layer "+5V_ISO_L04_P128" (solid, pour order 128): 55.831,14.538 55.831,19.524 59.878,19.524 59.902,19.5 59.902,18.7 58.266,18.7 57.328,17.762 57.328,14.556
+3V3 on Bottom Layer "+3V3_L04_P178" (solid, pour order 178): 40.944,49.3 40.944,52.1 41.444,52.6 41.444,54.1 44.8,54.1 44.8,51.45 41.944,51.45 41.944,49.3
+5V on Bottom Layer "+5V_L04_P177" (solid, pour order 177): 37.722,55.65 40.199,55.65 40.199,53.8 37.722,53.8
CTRL_CAN_GND1 on Bottom Layer "CTRL_CAN_GND1_L04_P118" (solid, remove dead copper, pour order 118): 59.9,36.6 59.9,50.4 70.9,50.4 70.9,36.6
24V_CTRL_Power on Bottom Layer "24V_CTRL_POWER_L04_P142" (solid, pour order 142): 74,48.275 71.4,48.275 71.4,50.9 67.8,50.9 67.8,53.925 74,53.925
+3V3A_iso on Bottom Layer "+3V3A_ISO_L04_P137" (solid, pour order 137): 67.35,16.939 70.4,16.939 70.4,17.9 71.339,17.9 71.378,17.939 71.378,16.189 67.35,16.189
+3V3D_iso on Bottom Layer "+3V3D_ISO_L04_P132" (solid, pour order 132): 60.402,15.089 60.402,12.2 60.902,12.2 60.902,11.313 59.152,11.313 59.152,15.089
GND on Int1 (GND) "Int1 (GND)-GND" (solid, pour order 163): 0,0 44.23,-0.006 44.23,0 44.73,0 44.73,3.155 44.23,3.655 44.23,10.53 47,13.3 50.984,13.3 52.25,14.566 52.25,22 59.2,22 59.2,50.4 54.6,50.4 54.6,60 0,60 0,49.3 0.112,49.188 16.877,49.188 18.865,47.2 19.2,47.2 19.2,32.615 9.985,32.615 8.7,33.9 8.7,49.188 0,49.188
GND_CTRL on Int1 (GND) "GND_CTRL_L02_P131" (solid, pour order 131): 55.1,50.9 55.1,60 80,60 80,21 71.4,21 71.4,50.9
iso_GND on Int1 (GND) "Int1 (GND)-iso_GND" (solid, remove dead copper, pour order 176): 47.73,0 80,0 80,20.5 53.29,20.5 53.29,13.49 52.1,12.3 48.562,12.3 48.23,11.968 48.23,3.655 47.73,3.155
GND on Int1 (GND) "GND_L02_P135" (solid, pour order 135): 27.656,27.973 27.656,28.604 24.442,31.819 23.719,31.819 20.828,28.928 20.828,28.226 24.05,25.003 24.686,25.003 25.377,25.694 26.011,25.694 27.284,24.421 28.913,24.421 29.53,25.039 29.53,25.357 29.282,25.605 27.656,27.231
CAN_GND on Int1 (GND) "CAN_GND_L02_P007" (solid, remove dead copper, pour order 7): 18.5,33.1 18.5,46.777 16.577,48.7 9.2,48.7 9.2,34.11 10.21,33.1
CTRL_CAN_GND2 on Int1 (GND) "CTRL_CAN_GND2_L02_P111" (solid, remove dead copper, pour order 111): 59.9,21 59.9,36 70.9,36 70.9,21
CTRL_CAN_GND1 on Int1 (GND) "CTRL_CAN_GND1_L02_P109" (solid, remove dead copper, pour order 109): 59.9,36.4 59.9,50.4 70.9,50.4 70.9,36.4
+3V3 on Int2 (PWR) "Int2 (PWR)-+3V3" (solid, pour order 166): 44.73,1 44.73,3.155 44.23,3.655 44.23,10.53 48.038,14.338 48.038,56.272 20.05,56.272 20.05,47.3 26.719,47.3 26.719,32.627 26.73,32.615 14.959,32.615 14.959,1
+5V on Int2 (PWR) "+5V_L03_P143" (solid, pour order 143): 45.664,19.448 44.408,18.192 36,18.192 36,16.525 36.025,16.5 48.1,16.5 48.1,22 48.1,56.1 33.505,56.1 33.505,52.35 33.651,52.204 42.1,52.204 42.1,54.2 44.8,54.2 47,52 47,41.05 44.7,38.75 44.7,30.8 45.664,29.836
+5V_iso on Int2 (PWR) "+5V_ISO_L03_P133" (solid, pour order 133): 53.29,15.795 53.29,20.5 53.296,20.494 66.875,20.494 66.875,16.775 65.904,15.804
+3V3A on Int2 (PWR) "+3V3A_L03_P144" (solid, pour order 144): 24,21.751 23.974,21.725 17.575,21.725 15.424,23.876 14.959,23.876 14.959,21.141 17.4,18.7 20.05,18.7 20.05,14.1 24,14.1 24,1 3,1 cw(c3,3) 1,3 1,57 cw(c3,57) 3,59 37.447,59 37.447,47.1 37.447,46 42.5,46 42.5,44.3 26.719,44.3 26.719,47.2 18.829,47.2 16.829,49.2 8.7,49.2 8.7,33.9 9.985,32.615 20.282,32.615 20.282,28.755 24,25.037
+24V_prot on Int2 (PWR) "Int2 (PWR)-+24V" (solid, pour order 141): 6.4,52.675 33.5,52.675 33.5,56.2 48.2,56.2 48.2,13.3 50.4,13.3 50.4,14.8 51.2,15.6 52.25,15.6 52.25,20.45 51.7,21 51.7,50.9 54.6,50.9 54.6,59 6.4,59
CTRL_PWR on Int2 (PWR) "CTRL_PWR_L03_P140" (solid, pour order 140): 55.1,50.9 55.1,59 77,59 cw(c77,57) 79,57 79,21 71.4,21 71.4,50.9
+3V3D_iso on Int2 (PWR) "Int2 (PWR)-+3V3D_iso" (solid, pour order 171): 53.29,15.75 53.29,13.441 53.264,13.411 52.153,12.3 48.557,12.3 48.23,11.973 48.23,3.655 47.73,3.155 47.73,1 48.23,1 56.005,1 56.005,10.23 60.383,10.23 65.903,15.75
+3V3A_iso on Int2 (PWR) "+3V3A_ISO_L03_P121" (solid, pour order 121): 79,20.5 66.875,20.5 66.875,16.775 60.319,10.219 55.94,10.219 55.94,1 77,1 ccw(c77,3) 79,3
GND2 on Int2 (PWR) "GND2_L03_P003" (solid, pour order 3): 26,33.1 13.8,33.1 13.8,37 19.2,37 19.2,46.7 26,46.7
GND21 on Int2 (PWR) "GND21_L03_P090" (solid, pour order 90): 52.4,36.8 59.2,36.8 64.6,36.8 64.6,40.6 59.2,40.6 59.2,50.4 52.4,50.4
GND22 on Int2 (PWR) "GND22_L03_P120" (solid, pour order 120): 52.4,22 59.2,22 59.2,22.4 64.6,22.4 64.6,26.2 59.2,26.2 59.2,36 52.4,36
GND on Top Layer "Top Layer-GND" (solid, remove dead copper, pour order 162): 44.23,3.655 44.23,10.53 47,13.3 50.977,13.3 52.25,14.573 52.25,20.45 51.7,21 51.7,50.9 54.6,50.9 54.6,60 0,60 0,49.3 0.112,49.188 0,49.188 0,0.006 44.73,0 44.73,3.155
+5V on Top Layer "+5V_L01_P136" (solid, pour order 136): 33.505,52.35 33.505,57.85 34.935,57.85 36.4,56.385 40.15,56.385 40.15,53.002 37.902,53.002 37.25,52.35
GND_CTRL on Top Layer "GND_CTRL_L01_P134" (solid, pour order 134): 55.1,50.9 55.1,60 80,60 80,21 71.4,21 71.4,50.9
CAN_GND on Top Layer "CAN_GND_L01_P006" (solid, remove dead copper, pour order 6): 18.5,46.791 16.591,48.7 9.2,48.7 9.2,34.1 10.2,33.1 18.5,33.1
+24V on Top Layer "+24V_L01_P115" (solid, pour order 115): 12.912,52.775 12.886,52.801 10.467,52.801 10.467,54.367 10.925,54.825 13.7,54.825 13.7,52.775
iso_GND on Top Layer "Top Layer-iso_GND" (solid, remove dead copper, pour order 175): 48.23,-0.009 80,-0.009 80,20.491 53.29,20.491 53.29,13.481 52.109,12.3 48.557,12.3 48.23,11.973 48.23,3.655 47.73,3.155 47.73,0 48.23,0
+24V_prot on Top Layer "+24V_PROT_L01_P112" (solid, pour order 112): 16.9,52.775 16.9,57.75 18.05,57.75 18.05,55.3 24.585,55.3 24.585,52.79
CTRL_CAN_GND1 on Top Layer "CTRL_CAN_GND1_L01_P092" (solid, remove dead copper, pour order 92): 59.9,36.6 59.9,50.4 70.9,50.4 70.9,36.6
CTRL_CAN_GND2 on Top Layer "CTRL_CAN_GND2_L01_P093" (solid, remove dead copper, pour order 93): 59.9,21 59.9,36 70.9,36 70.9,21
CTRL_PWR on Top Layer "CTRL_PWR_L01_P129" (solid, pour order 129): 80,54.325 67.875,54.325 67.875,60 80,60
NetC101_1 on Top Layer "NETC101_1_L01_P114" (solid, pour order 114): 32.221,49.742 30.997,49.742 29.465,51.273 29.465,57.85 30.895,57.85 30.895,52.871 32.221,51.545
+3V3A on Top Layer "+3V3A_L01_P139" (solid, pour order 139): 40.851,48.142 40.851,44.3 42.644,44.3 42.644,46.004 41.449,46.004 41.449,48.14 41.451,48.142
24V_CTRL_Power on Top Layer "24V_CTRL_POWER_L01_P130" (solid, pour order 130): 69.779,54.2 74.621,54.2 74.621,50.9 69.779,50.9
NetC102_2 on Top Layer "NETC102_2_L01_P113" (solid, pour order 113): 31.271,50.179 31.271,50.75 31.26,50.74 31.075,50.74 30.515,51.3 26.4,51.3 25.855,51.845 25.855,53.81 25.215,53.81 25.215,52.915 24.5,52.2 24.5,50.75 25.285,50.75 25.933,50.102 29.41,50.102 29.769,49.742 31.271,49.742

## Keep-outs
Keep-Out Layer:
  lines w0.05: 0,3 ccw(c3,3) 3,0 10,0 77,0 ccw(c77,3) 80,3 80,57 ccw(c77,57) 77,60 3,60 ccw(c3,57) 0,57 0,3

## Other copper
Top Layer:
  pour cut-out: 51.7,50.4 51.7,36.4 66.8,36.4 66.8,42.8 59.9,42.8 59.9,50.4
  pour cut-out: 26.03,25.958 27.338,24.65 28.611,24.65 28.894,24.933 29.088,24.738 28.682,24.332 27.197,24.332 25.853,25.675 25.818,25.675 24.863,24.72 23.857,24.72 20.522,28.055 20.522,29.079 23.543,32.1 24.577,32.1 27.975,28.702 27.975,27.266 29.813,25.428 29.601,25.215 27.656,27.16 27.656,28.61 24.445,31.821 23.733,31.821 20.83,28.918 20.825,28.229 24.05,25.003 24.686,25.003 25.641,25.958
  pour cut-out: 26.7,46.7 26.7,32.7 11.6,32.7 11.6,39.2 18.5,39.2 18.5,46.7
  pour cut-out: 66.038,13.65 68.4,13.65 68.4,2 66.038,2
  pour cut-out: 51.7,36 51.7,22 66.8,22 66.8,28.4 59.9,28.4 59.9,36
Int1 (GND):
  pour cut-out: 26.03,25.958 27.338,24.65 28.611,24.65 28.894,24.933 29.088,24.738 28.682,24.332 27.197,24.332 25.853,25.675 25.818,25.675 24.863,24.72 23.857,24.72 20.522,28.055 20.522,29.079 23.543,32.1 24.577,32.1 27.975,28.702 27.975,27.266 29.813,25.428 29.601,25.215 27.656,27.16 27.656,28.61 24.445,31.821 23.733,31.821 20.83,28.918 20.825,28.229 24.05,25.003 24.686,25.003 25.641,25.958
Bottom Layer:
  pour cut-out: 51.7,36 51.7,22 66.8,22 66.8,28.4 59.9,28.4 59.9,36
  pour cut-out: 26.7,47.2 26.7,32.7 11.6,32.7 11.6,39.2 18.5,39.2 18.5,47.2
  pour cut-out: 26.03,25.958 27.338,24.65 28.611,24.65 28.894,24.933 29.088,24.738 28.682,24.332 27.197,24.332 25.853,25.675 25.818,25.675 24.863,24.72 23.857,24.72 20.522,28.055 20.522,29.079 23.543,32.1 24.577,32.1 27.975,28.702 27.975,27.266 29.813,25.428 29.601,25.215 27.656,27.16 27.656,28.61 24.445,31.821 23.733,31.821 20.83,28.918 20.825,28.229 24.05,25.003 24.686,25.003 25.641,25.958
  pour cut-out: 51.7,50.4 51.7,36.4 66.8,36.4 66.8,42.8 59.9,42.8 59.9,50.4
Multi-Layer:
  pour cut-out: 19.2,39.2 19.2,37 13.8,37 13.8,32.8 11.6,32.8 11.6,39.2
  pour cut-out: 59.2,42.8 59.2,40.6 64.6,40.6 64.6,36.4 66.8,36.4 66.8,42.8
  pour cut-out: 59.2,28.4 59.2,26.2 64.6,26.2 64.6,21 66.8,21 66.8,28.4

## Silkscreen, mask and mechanical layers (free items; w line width, h text height)
Top Overlay:
  drawing of 2761 lines, arcs and shapes, not listed
  text "+24V" at 9.6,58.95 h0.6
  text "+5V" at 38.275,58.694 h0.6
  text "+3V3A" at 41.2,58.7 h0.6
  text "+3V3D" at 44.8,58.675 h0.6
  text "CTRL Power" at 73.7,50.3 h0.6
  text "Left" at 67.95,49.05 h0.8
  text "FEST24 ECU" at 19.355,45 h1
  text "Digital logic" at 42.644,44.3 h0.6 r270
  text "Rev 1" at 19.505,43.25 h0.8
  text "MCU1" at 38.4,43.125 h0.6
  text "MCU2" at 38.3,39.1 h0.6
  text "Right" at 67.377,35.117 h0.8
  text "ERROR" at 38.025,35.1 h0.6
  text "Analog logic" at 8.373,30.9 h0.6
  text "Motor temp measurement" at 66.6,18.1 h0.6
  text "+3V3D" at 59,17.9 h0.6
  text "+3V3A" at 63.1,17.87 h0.6
  text "R904" at 67.537,16 h0.6 r270
  text "R903" at 64.337,14.875 h0.6
  text "R902" at 64.337,13.9 h0.6
  text "C913" at 60.502,13 h0.6 r270
  text "R905" at 61.7,11.95 h0.6
  text "R906" at 61.7,10.925 h0.6
  text "R700" at 12.625,3.025 h0.6
  text "C700" at 12.625,1.975 h0.6
Bottom Overlay:
  drawing of 1884 lines, arcs and shapes, not listed
  text "Power" at 39.41,58.055 h0.8
  text "Buzzer" at 30.85,57.95 h0.8 r90
  text "+24V" at 11.9,54.611 h0.8
  text "GND" at 11.55,51.7 h0.8
  text "Brake / Light" at 32.676,51.363 h0.8 r90
  text "A PCB from / www.eurocircuits.com" at 63.155,50.4 h0.8 r90
  text "Right side" at 74.85,47.275 h1 r90
  text "Digital logic" at 51.05,41.222 h0.8
  text "Controller supply and CAN" at 78.85,39.7 h0.6 r90
  text "Left side" at 75.025,33.725 h1 r90
  text "Pump" at 35.933,33.701 h0.8 r90
  text "Analog logic" at 14.85,30.022 h0.8
  text "C600" at 16,28.55 h0.6 r90
  text "Shutdown" at 36.55,24.15 h0.8
  text "PWM" at 31.18,10.35 h0.8